# Altium PCB QCopterMV__Pcb.PcbDoc
Units mil, origin at the board's own origin, x right, y up, seen from the top; angles counter-clockwise.
Board outline 2750 x 1310 mil, 2 copper layers (Top Layer, Bottom Layer); 64 components, 105 nets, 340 pads, 113 vias.
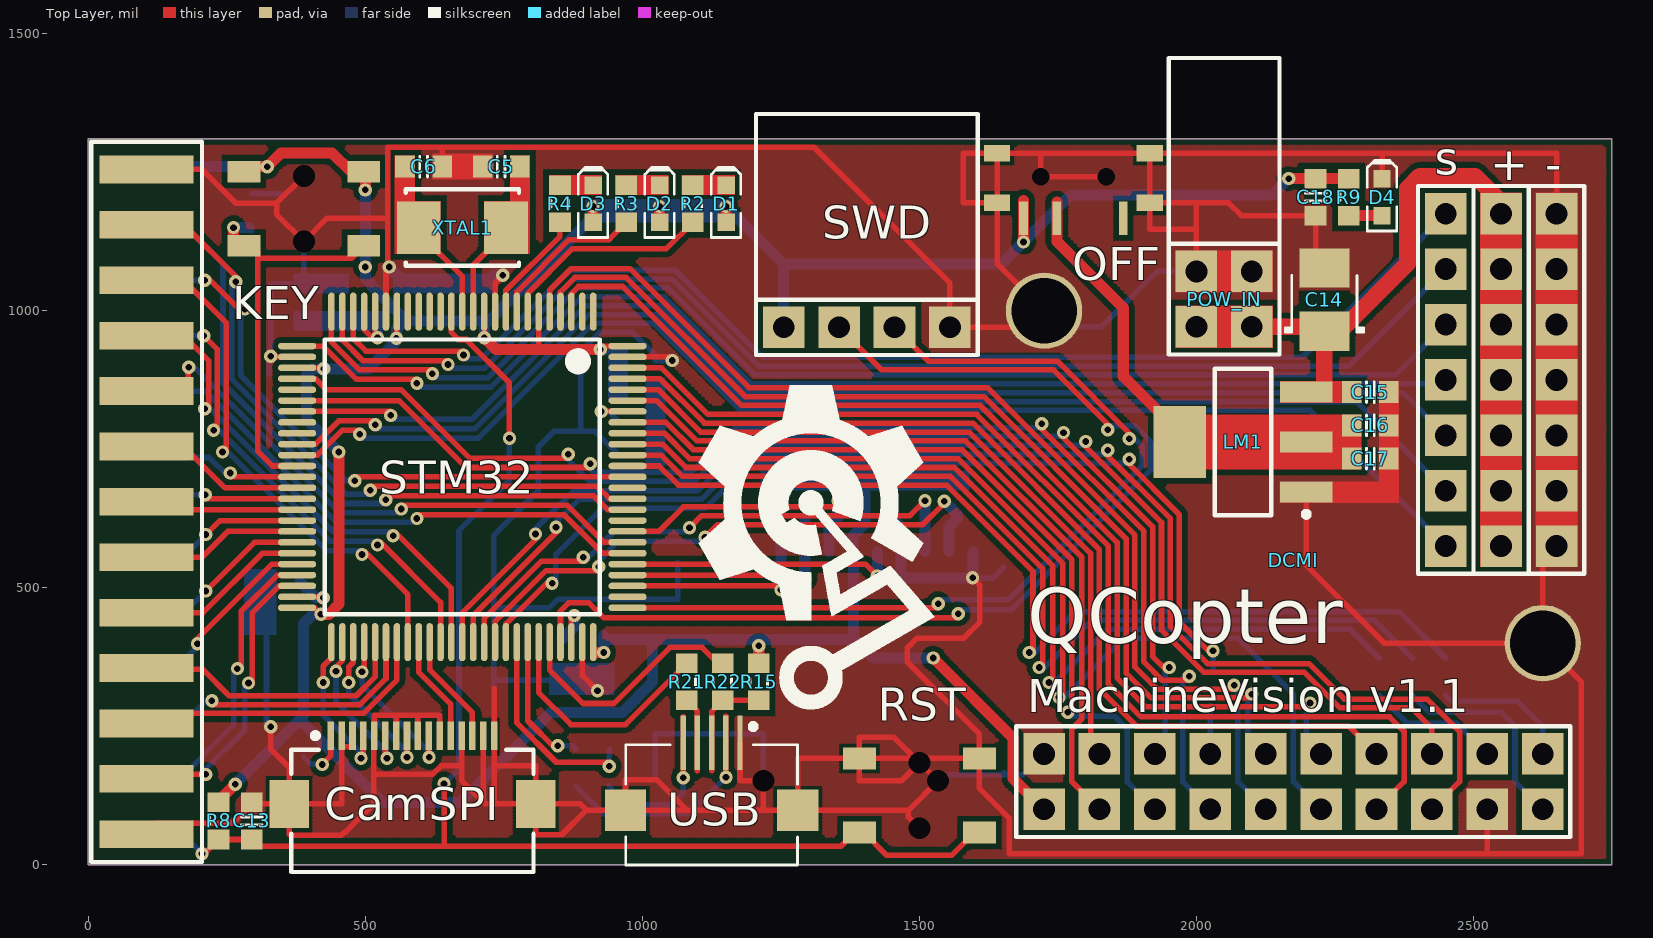
[diagram p0: Top Layer view]
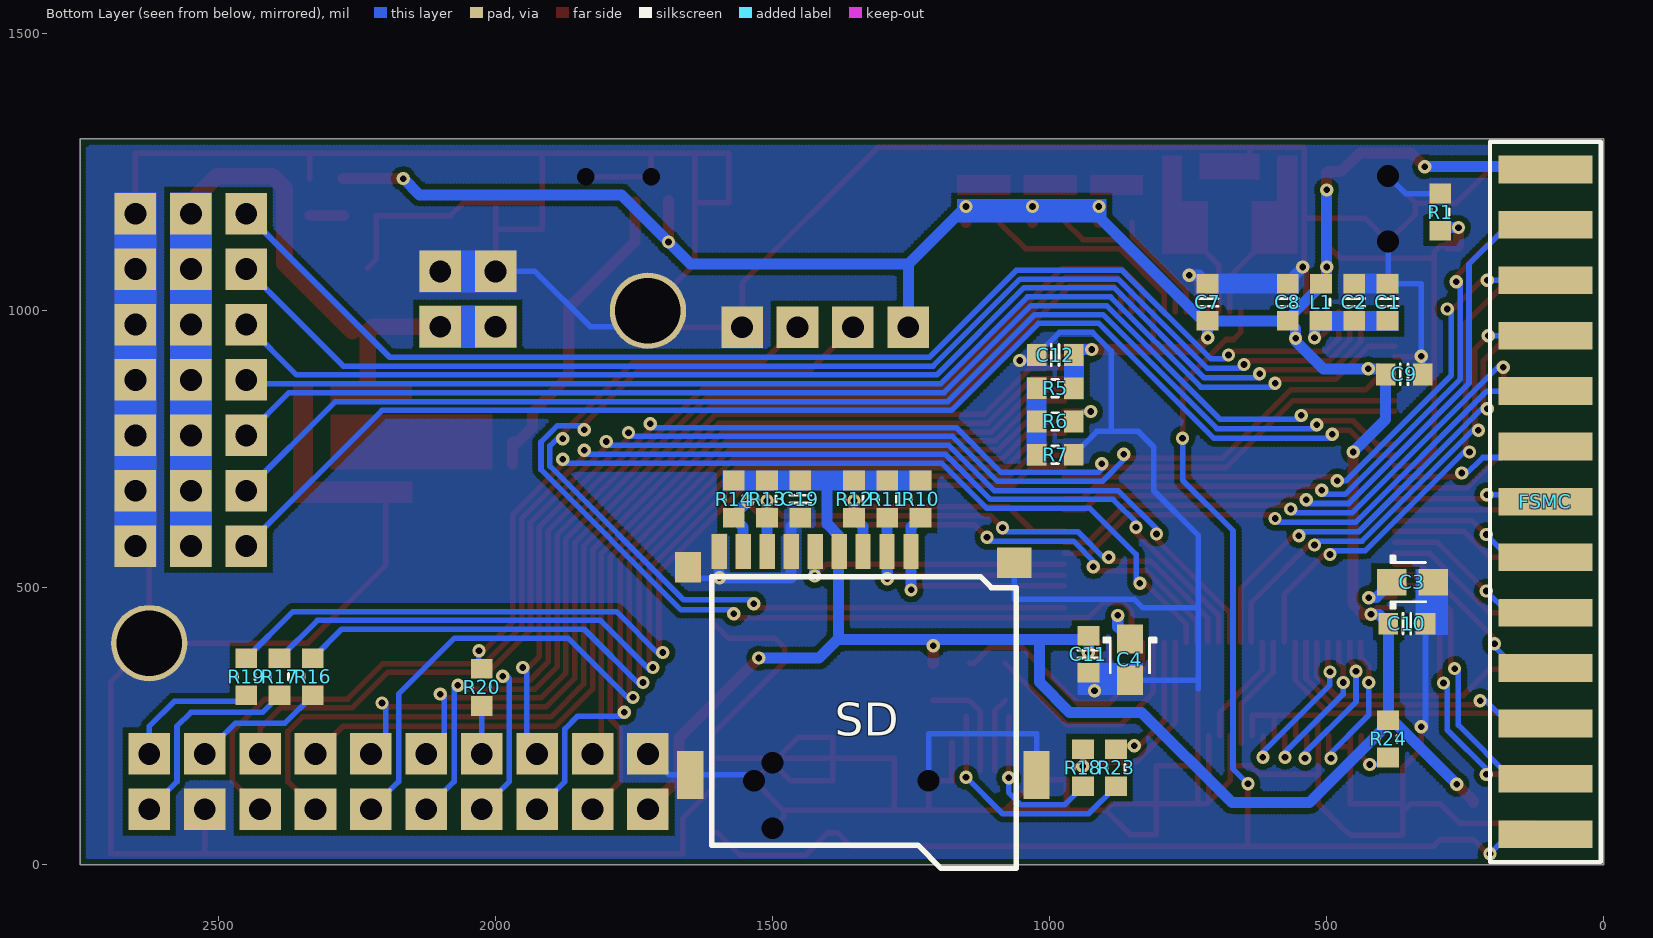
[diagram p1: Bottom Layer view, seen from below]

## Layer stack, top to bottom
Top Layer: signal copper 1.4
Dielectric: dielectric 12.6, FR-4, Dk 4.8
Bottom Layer: signal copper 1.4

## Board outline
0,1310 2750,1310 2750,0 0,0

## Design rules (kind name [scope] priority, off if disabled: settings)
Clearance Polygon [InPolygon] p1: gap=10
Clearance [All] p2: gap=6
ComponentClearance [All] p1: gap=0 collisioncheckmode=3 verticalgap=0 showdistances=FALSE
DiffPairsRouting DiffPair_DiffPairsRouting [InDifferentialPair ('USB')] p1: maxlimit=10 minlimit=10 mostfreqgap=10 maxuncoupledlength=500
DiffPairsRouting [All] p2: maxlimit=10 minlimit=10 mostfreqgap=10 maxuncoupledlength=500
HoleSize [All] p1: absolutevalues=TRUE maxlimit=150 minlimit=1 maxpercent=80.000 minpercent=20.000
HoleToHoleClearance [All] p1: gap=0 allowstackedmicrovias=TRUE
MatchedLengths DiffPair_MatchedLengths [InDifferentialPair ('USB')] p1: tolerance=1000 checknetsindiffpair=TRUE checkdiffpairvsdiffpair=TRUE checkothers=TRUE
MinimumSolderMaskSliver [All] p1: minsoldermaskwidth=0
PlaneConnect [All] p1: planeconnectstyle=Direct reliefexpansion=20 reliefentries=4 reliefconductorwidth=10 reliefairgap=10
PolygonConnect [All] p1: connectstyle=Direct reliefconductorwidth=10 reliefentries=4 polygonreliefangle="90 Angle" airgapwidth=10
RoutingVias [All] p1: holewidth=12 width=24 viastyle="Through Hole" minholewidth=12 minwidth=20 maxholewidth=28 maxwidth=50
SilkToSilkClearance [All] p1: silktosilkclearance=2
SilkToSolderMaskClearance SilkscreenOverComponentPads [IsPad] p1: minsilkscreentomaskgap=2 clearancetoexposedcopper=TRUE
SolderMaskExpansion [All] p1: expansion=0
Width DiffPair_Width [InDifferentialPair('USB')] p1: maxlimit=10 minlimit=10 preferedwidth=10
Width [All] p2: maxlimit=30 minlimit=6 preferedwidth=10
20 further rules are at their usual default settings.

## Classes and differential pairs
component class KEY: KEY R1
component class FSMC: FSMC
component class LED: D1 D2 D3 JP3 JP4 JP5 JP6 LED_1 LED_2 LED_B LED_G LED_R LED_W R2 R3 R4
component class POWER: C14 C15 C16 C17 C18 D4 LED OFF POW_IN "Power 5V" R9
component class PWM: + - PWM_G PWM_S PWM_V S s
component class SD: C19 R10 R11 R12 R13 R14 SD
component class STM32F407VE: C1 C2 C3 C4 C5 C6 C7 C8 C9 C10 C11 C12 C13 L1 R5 R6 R7 R8 RST STM32 XTAL1
component class SWD: SWD
component class USB: R15 R18 R21 R22 R23 USB
component class DCMI: DCMI R16 R17 R19 R20
component class CAMSPI: CamSPI R24

## Components (designator, comment, footprint, x,y, rotation, side; value= is the part's Value field where it differs from the comment)
+ "HDR1X7_180_2.54" HDR1X7_180_2.54 2550,1175 r270 top
- "HDR1X7_180_2.54" HDR1X7_180_2.54 2650,1175 r270 top
C1 "Cap_0603" CAP_0603 390,1015 r90 bottom locked
C2 "Cap_0603" CAP_0603 450,1015 r90 bottom locked
C3 "Cap_Tan_0805" CAP_TAN_P0805 345,510 r180 bottom locked
C4 "Cap_Tan_0805" CAP_TAN_P0805 855,370 r270 bottom locked
C5 "Cap_0603" CAP_0603 745,1260 r0 top
C6 "Cap_0603" CAP_0603 605,1260 r180 top
C7 "Cap_0603" CAP_0603 715,1015 r270 bottom locked
C8 "Cap_0603" CAP_0603 570,1015 r270 bottom locked
C9 "Cap_0603" CAP_0603 360,885 r0 bottom locked
C10 "Cap_0603" CAP_0603 355,435 r0 bottom locked
C11 "Cap_0603" CAP_0603 930,380 r90 bottom locked
C12 "Cap_0603" CAP_0603 990,920 r180 bottom locked
C13 "Cap_0603" CAP_0603 295,79 r90 top
C14 "Cap_Tan_1210" CAP_TAN_B1210 2231,1020 r90 top
C15 "Cap_0603" CAP_0603 2314,853 r180 top
C16 "Cap_0603" CAP_0603 2314,793 r180 top
C17 "Cap_0603" CAP_0603 2314,733 r180 top
C18 "Cap_0603" CAP_0603 2215,1205 r90 top
C19 "Cap_0603" CAP_0603 1450,660 r90 bottom
CamSPI "FFC_0.5_16" FFC_0.5_16 585,169 r0 top
D1 "LED_0603_RED" LED_0603_RED 1151,1193 r90 top
D2 "LED_0603_GREEN" LED_0603_GREEN 1031,1193 r90 top
D3 "LED_0603_BLUE" LED_0603_BLUE 911,1193 r90 top
D4 "LED_0603_BLUE" LED_0603_BLUE 2335,1205 r90 top
DCMI "Camera" CAMERA 1725,100 r0 top
FSMC "HDR2X13_180FTB_2.54" HDR2X13_180FTB_2.54 105,1255 r270 bottom locked
KEY "SW-PB_1" BT_90_T 389,1184 r270 top locked
L1 "Ind_0603" IND_0603 510,1015 r270 bottom locked
LM1 "LM1117" SOT223 2084,763 r180 top
OFF "SW-SPDT" SW_T 1778,1242 r180 top (schematic designator POW)
POW_IN "HDR2X2_90_2.54" HDR2X2_90_2.54 2000,971 r0 top
R1 "Res_0603" RES_0603 295,1178 r270 bottom
R2 "Res_0603" RES_0603 1091,1193 r90 top
R3 "Res_0603" RES_0603 971,1193 r90 top
R4 "Res_0603" RES_0603 851,1193 r90 top
R5 "Res_0603" RES_0603 990,860 r180 bottom locked
R6 "Res_0603" RES_0603 990,800 r0 bottom
R7 "Res_0603" RES_0603 990,740 r180 bottom
R8 "Res_0603" RES_0603 235,79 r270 top
R9 "Res_0603" RES_0603 2275,1205 r90 top
R10 "Res_0603" RES_0603 1233,660 r270 bottom
R11 "Res_0603" RES_0603 1293,660 r270 bottom
R12 "Res_0603" RES_0603 1353,660 r270 bottom
R13 "Res_0603" RES_0603 1510,660 r270 bottom
R14 "Res_0603" RES_0603 1570,660 r270 bottom
R15 "Res_0603" RES_0603 1210,330 r90 top
R16 "Res_0603" RES_0603 2330,339.25 r90 bottom
R17 "Res_0603" RES_0603 2390,339.25 r270 bottom
R18 "Res_0603" RES_0603 940,175 r90 bottom
R19 "Res_0603" RES_0603 2450,339.25 r90 bottom
R20 "Res_0603" RES_0603 2025,320 r90 bottom
R21 "Res_0603" RES_0603 1080,330 r90 top
R22 "Res_0603" RES_0603 1145,330 r90 top
R23 "Res_0603" RES_0603 880,175 r90 bottom
R24 "Res_0603" RES_0603 389,227 r270 bottom
RST "SW-PB_1" BT_90_T 1500,125 r90 top
s "HDR1X7_180_2.54" HDR1X7_180_2.54 2450,1175 r270 top
SD "SD_Card_TF" SD_Card_TF 1250,565 r270 bottom locked
STM32 "STM32F407V" STM32F_100 675,700 r270 top locked
SWD "HDR1X4_90F_2.54" HDR1X4_90F_2.54 1255,970 r0 top
USB "USB_Micro" USB_MICRO_B 1125,220 r270 top locked
XTAL1 "XTAL_5032" XTAL_5032 675,1150 r0 top

## Footprints (in the part's own frame and the unit in brackets; to place one, negate y for a bottom-side part, rotate by r counter-clockwise, add the part's x,y. Pads: shape width x height; smd on the part's side, far side on the other; paste and mask are expansions set on the pad)
BT_90_T [mm]
  round 0.254 hole 1: 0(-1.5,0) 0(1.5,0)
  rect 1x1.5 smd: 1(-1.7,2.75) 1(-1.7,-2.75) 2(1.7,2.75) 2(1.7,-2.75)
  body extent -3.3,-2.3 0.25,2.3, height 1.42
CAMERA [mm] "Connector; Header; 2x2 Position"
  round 3.5 hole 3: 0(0,22.86) 0(22.86,7.62)
  rect 1.905x1.905 hole 1: 1(0,0) 2(0,2.54) 3(2.54,0) 4(2.54,2.54) 5(5.08,0) 6(5.08,2.54) 7(7.62,0) 8(7.62,2.54) 9(10.16,0) 10(10.16,2.54) 11(12.7,0) 12(12.7,2.54) 13(15.24,0) 14(15.24,2.54) 15(17.78,0) 16(17.78,2.54) 17(20.32,0) 18(20.32,2.54) 19(22.86,0) 20(22.86,2.54)
  silkscreen extent -1.27,-1.27 24.13,3.81, body extent -1.39,-1.23 24.26,3.77, height 8.5
CAP_0603 [mm] "Chip Capacitor, Body 1.6x0.8mm, 0603, IPC Medium Density"
  rect 0.9x1 smd: 1(-0.85,0) 2(0.85,0)
  Top Layer pour cut-out: -0.4,0.6 0.4,0.6 0.4,-0.6 -0.4,-0.6
  silkscreen extent -0.18,-0.48 0.18,0.48, body extent -0.85,-0.45 0.85,0.45, height 0.89
CAP_TAN_B1210 [mm] "Molded body capacitor, Body 3.5x2.8mm, 1210, IPC Nominal settings"
  rect 1.8x2.3 smd: 1(-1.45,0) 2(1.45,0)
  Top Layer pour cut-out: -0.508,1.27 0.508,1.27 0.508,-1.27 -0.508,-1.27
  silkscreen extent -1.5,-1.8 1.1,1.8, body extent -1.75,-1.4 1.75,1.4, height 2.1
CAP_TAN_P0805 [mm] "Molded body capacitor, Body 2.0x1.2mm, 0805, IPC Medium Density"
  rect 1.35x1.2 smd: 1(-0.95,0) 2(0.95,0)
  Top Layer pour cut-out: -0.4,0.8 0.4,0.8 0.4,-0.8 -0.4,-0.8
  silkscreen extent -1,-1.2 0.6,1.2, body extent -1.02,-0.67 1.03,0.68, height 1.5
FFC_0.5_16 [mm] "Connector; FH12 Series; 16 Position; 0.5mm Spaced Bottom Contact"
  rect 1.8x2.2 smd: 0(-5.65,-1.498) 0(5.65,-1.498)
  rect 0.3x1.3 smd: 1(-3.75,1.625) 2(-3.25,1.625) 3(-2.75,1.625) 4(-2.25,1.625) 5(-1.75,1.625) 6(-1.25,1.625) 7(-0.75,1.625) 8(-0.25,1.625) 9(0.25,1.625) 10(0.75,1.625) 11(1.25,1.625) 12(1.75,1.625) 13(2.25,1.625) 14(2.75,1.625) 15(3.25,1.625) 16(3.75,1.625)
  silkscreen extent -5.55,-4.62 5.55,1.75, body extent -6.75,-3.93 6.75,1.41, height 2.08
HDR1X4_90F_2.54 [mm] "Connector; Header; 2 Position"
  rect 1.905x1.905 hole 1: 1(0,0) 2(2.54,0) 3(5.08,0) 4(7.62,0)
  silkscreen extent -1.27,-1.27 8.89,9.78, body extent -1.39,-0.16 9.02,9.9, height 2.52
HDR1X7_180_2.54 [mm] "Connector; Header; 6 Position"
  rect 1.905x1.905 hole 1: 1(0,0) 2(2.54,0) 3(5.08,0) 4(7.62,0) 5(10.16,0) 6(12.7,0) 7(15.24,0)
  silkscreen extent -1.27,-1.27 16.51,1.27, body extent -1.27,-1.27 16.51,1.27, height 7.58
HDR2X2_90_2.54 [mm] "Connector; Header; 2x2 Position"
  rect 1.905x1.905 hole 1: 1(0,0) 2(0,2.54) 3(2.54,0) 4(2.54,2.54)
  silkscreen extent -1.27,-1.27 3.81,12.32, body extent -1.27,-0.31 3.81,12.57, height 5.04
HDR2X13_180FTB_2.54 [mil] "Connector; Header; 2x2 Position"
  rect 50x170 smd: 1(0,0) 3(100,0) 5(200,0) 7(300,0) 9(400,0) 11(500,0) 13(600,0) 15(700,0) 17(800,0) 19(900,0) 21(1000,0) 23(1100,0) 25(1200,0)
  rect 50x170 smd far side: 2(0,0) 4(100,0) 6(200,0) 8(300,0) 10(400,0) 12(500,0) 14(600,0) 16(700,0) 18(800,0) 20(900,0) 22(1000,0) 24(1100,0) 26(1200,0)
  silkscreen extent -50,-100 1250,100, body extent -55,-45 1255,416, height 98
IND_0603 [mm] "Chip bead, Body 1.6x0.8mm, 0603, IPC Medium Density"
  rect 0.9x1 smd: 1(-0.85,0) 2(0.85,0)
  Top Layer pour cut-out: -0.4,0.6 0.4,0.6 0.4,-0.6 -0.4,-0.6
  silkscreen extent -0.15,-0.41 0.15,0.41, body extent -0.8,-0.4 0.8,0.4, height 0.79
LED_0603_BLUE [mm] "Chip Capacitor, 2-Leads, Body 1.6x0.8mm, IPC Medium Density"
  rect 0.8x0.8 smd: 1(-0.85,0) 2(0.85,0)
  Top Layer pour cut-out: -0.5,0.5 0.5,0.5 0.5,-0.5 -0.5,-0.5
  silkscreen extent -1.55,-0.67 1.68,0.67, body extent -0.8,-0.4 0.8,0.4, height 0.75
LED_0603_GREEN [mm] "Chip Capacitor, 2-Leads, Body 1.6x0.8mm, IPC Medium Density"
  rect 0.8x0.8 smd: 1(-0.85,0) 2(0.85,0)
  Top Layer pour cut-out: -0.5,0.5 0.5,0.5 0.5,-0.5 -0.5,-0.5
  silkscreen extent -1.55,-0.67 1.68,0.67, body extent -0.8,-0.4 0.8,0.4, height 0.75
LED_0603_RED [mm] "Chip Capacitor, 2-Leads, Body 1.6x0.8mm, IPC Medium Density"
  rect 0.8x0.8 smd: 1(-0.85,0) 2(0.85,0)
  Top Layer pour cut-out: -0.5,0.5 0.5,0.5 0.5,-0.5 -0.5,-0.5
  silkscreen extent -1.55,-0.67 1.68,0.67, body extent -0.8,-0.4 0.8,0.4, height 0.75
RES_0603 [mm]
  rect 0.9x1 smd: 1(-0.85,0) 2(0.85,0)
  Top Layer pour cut-out: -0.4,0.6 0.4,0.6 0.4,-0.6 -0.4,-0.6
  silkscreen extent -0.15,-0.41 0.15,0.41, body extent -0.87,-0.47 0.88,0.48, height 0.54
SD_Card_TF [mm]
  rect 1.6x0.7 smd: 1(0,0) 2(0,-1.1) 3(0,-2.2) 4(0,-3.3) 5(0,-4.4) 6(0,-5.5) 7(0,-6.6) 8(0,-7.7) 9(0,-8.8)
  rect 1.4x1.6 smd: 6(0.5,4.727)
  rect 1.4x1.2 smd: 6(0.703,-10.225)
  rect 2.2x1.2 smd: 6(10.227,-10.127) 6(10.227,5.754)
  round 0.762 hole 1: 6(10.5,-7.2) 6(10.5,0.8)
  silkscreen extent 1.14,-9.14 14.52,4.83, body extent -0.73,-10.31 14.48,5.99, height 2
SOT223 [mm] "SOT223, 4-Leads, Body 6.7x7.3mm (max), Pitch 2.29mm, IPC Medium Density"
  rect 2.4x0.95 smd: 1(-2.9,2.29) 2(-2.9,0) 3(-2.9,-2.29)
  rect 2.4x3.3 smd: 2(2.9,0)
  silkscreen extent -3.03,-3.35 1.3,3.44, body extent -3.65,-3.35 3.65,3.35, height 1.8
STM32F_100 [mm] "TSQFP, 100-Leads, Body 16.2x16.2mm (max), Pitch 0.50mm, IPC Medium Density"
  oval 1.75x0.3 smd: 1(-7.575,6) 2(-7.575,5.5) 3(-7.575,5) 4(-7.575,4.5) 5(-7.575,4) 6(-7.575,3.5) 7(-7.575,3) 8(-7.575,2.5) 9(-7.575,2) 10(-7.575,1.5) 11(-7.575,1) 12(-7.575,0.5) 13(-7.575,0) 14(-7.575,-0.5) 15(-7.575,-1) 16(-7.575,-1.5) 17(-7.575,-2) 18(-7.575,-2.5) 19(-7.575,-3) 20(-7.575,-3.5) 21(-7.575,-4) 22(-7.575,-4.5) 23(-7.575,-5) 24(-7.575,-5.5) 25(-7.575,-6) 51(7.575,-6) 52(7.575,-5.5) 53(7.575,-5) 54(7.575,-4.5) 55(7.575,-4) 56(7.575,-3.5) 57(7.575,-3) 58(7.575,-2.5) 59(7.575,-2) 60(7.575,-1.5) 61(7.575,-1) 62(7.575,-0.5) 63(7.575,0) 64(7.575,0.5) 65(7.575,1) 66(7.575,1.5) 67(7.575,2) 68(7.575,2.5) 69(7.575,3) 70(7.575,3.5) 71(7.575,4) 72(7.575,4.5) 73(7.575,5) 74(7.575,5.5) 75(7.575,6)
  oval 0.3x1.75 smd: 26(-6,-7.575) 27(-5.5,-7.575) 28(-5,-7.575) 29(-4.5,-7.575) 30(-4,-7.575) 31(-3.5,-7.575) 32(-3,-7.575) 33(-2.5,-7.575) 34(-2,-7.575) 35(-1.5,-7.575) 36(-1,-7.575) 37(-0.5,-7.575) 38(0,-7.575) 39(0.5,-7.575) 40(1,-7.575) 41(1.5,-7.575) 42(2,-7.575) 43(2.5,-7.575) 44(3,-7.575) 45(3.5,-7.575) 46(4,-7.575) 47(4.5,-7.575) 48(5,-7.575) 49(5.5,-7.575) 50(6,-7.575) 76(6,7.575) 77(5.5,7.575) 78(5,7.575) 79(4.5,7.575) 80(4,7.575) 81(3.5,7.575) 82(3,7.575) 83(2.5,7.575) 84(2,7.575) 85(1.5,7.575) 86(1,7.575) 87(0.5,7.575) 88(0,7.575) 89(-0.5,7.575) 90(-1,7.575) 91(-1.5,7.575) 92(-2,7.575) 93(-2.5,7.575) 94(-3,7.575) 95(-3.5,7.575) 96(-4,7.575) 97(-4.5,7.575) 98(-5,7.575) 99(-5.5,7.575) 100(-6,7.575)
  silkscreen extent -6.3,-6.3 6.3,6.3, body extent -8,-8 8,8, height 1.2
SW_T [mm]
  rect 1.2x0.762 smd: 0(-3.5,-1.073) 0(-3.5,1.2) 0(3.5,-1.073) 0(3.5,1.2)
  round 0.254 hole 0.8: 0(-1.5,0) 0(1.5,0)
  rect 0.4x1.524 smd: 1(2.286,1.905) 2(0.762,1.905) 3(-2.286,1.905)
USB_MICRO_B [mm] "Connector; USB2.0, Type A, SM; 5 Position; Right Angle"
  rect 2.5x0.25 smd: 1(0,-1.3) 2(0,-0.65) 3(0,0) 4(0,0.65) 5(0,1.3)
  rect 1.9x1.9 smd: ""(3.095,3.95) ""(3.095,-3.95)
  silkscreen extent -0.87,-3.94 5.6,3.94, body extent 0.24,-4 5.67,3.98, height 2.71
XTAL_5032 [mm] "Molded Capacitor, 2-Leads, Body 5.0x3.2mm, IPC Medium Density"
  rect 2x2.4 smd: 1(-2,0) 2(2,0)
  silkscreen extent -2.6,-1.75 2.6,1.75, body extent -2.5,-1.6 2.5,1.6, height 1

## Part data
+ - FSMC POW_IN s SWD: "Header"
C1 C2 C3 C4 C5 C6 C7 C8 C9 C10 C11 C12 C13 C14 C15 C16 C17 C18 C19: "Capacitor"
CamSPI: "FFC"
D1 D2 D3 D4: "LED"
DCMI: "Module"
KEY RST: "Switch"
L1: "Inductor"
LM1: "Power"
OFF: library part SW-SPDT_1, "SPDT Subminiature Toggle Switch, Right Angle Mounting, Vertical Actuation"
R1 R2 R3 R4 R5 R6 R7 R8 R9 R10 R11 R12 R13 R14 R15 R16 R17 R18 R19 R20 R21 R22 R23 R24: "Resistor"
SD: "SD"
STM32: "MCU"
USB: "USB"
XTAL1: "Crystal Oscillator"

## Via types
v1: diameter 24, hole 12, Top Layer to Bottom Layer, 113 vias

## Nets (pads, with @x,y where several pads share a name; then routed paths per layer and width w, separated by ;. In a path a pad name is that pad's centre, name@x,y a point inside that pad or via, vN(x,y) a via of type N, cw(c..) or ccw(c..) an arc to the next point about the centre after c; other vN are vias at no path point)
3V3: C7.2 C8.2 C9.2 C10.2 C11.2 C12.2 C18.2 C19.2 D1.1 D2.1 D3.1 DCMI.1 FSMC.1 KEY.1 L1.1 OFF.1 R5.2 R8.1 R9.2 R10.1 R11.1 R12.1 R13.1 R14.1 R15.2 R24.1 SD.4 STM32.6 STM32.11 STM32.19 STM32.28 STM32.50 STM32.75 STM32.100 SWD.1 | length 6920.5
  Top Layer w10: STM32.50 408.22,463.78 v1(420,452) ; STM32.28 423.15,896.85 v1(425,895) ; v1@556.89,951.89 STM32.19 ; v1(714.37,951.37) STM32.11 ; 812.8,930 STM32.6 ; STM32.75 911.22,386.78 STM32.75@915,383 ; v1(924,930) 930.22,936.22 STM32.100
  Top Layer w20: R8.1 235,115 v1(265,145) ; KEY.1@285,1260 v1(323,1260) 348,1285 440,1285 474.07,1250.93 497.27,1250.93 KEY.1@499,1249.2 ; v1(420,452) 434,452 452.32,470.32 v1@452.32,744.68 ; v1(500,1218) KEY.1@500,1249.2 ; v1(714.37,951.37) 735.74,930 v1(924,930) ; D3.1 v1(911,1188) ; STM32.75@915,383 v1(930,383) ; D2.1 v1(1031,1188) ; D1.1 v1(1151,1188) ; R15.2 v1(1210,395) ; v1(1525,373) 1669,229 1669,156 DCMI.1 ; v1(1688,1124) OFF.1 1688,1199 ; v1(2166.54,1238.46) C18.2 R9.2
  Bottom Layer w10: C8.2 570,985.46 C8.2@570,988.46
  Bottom Layer w20: FSMC.1@110,1260 v1(323,1260) ; v1(265,145) 379,259 383.27,254.73 388.27,254.73 531,112 671,112 834,275 964,275 1018.46,329.46 1018.46,406.46 ; R24.1@388.46,268.46 C10.2 405.46,452 v1(420,452) ; v1(452,745) 393.46,803.54 C9.2 403.46,895 v1(425,895) 505.6,895 556,945.4 556,967.54 C8.2 C7.2 ; v1(500,1218) v1(500,1079) 500,1058.46 L1.1 ; L1.1@510,1045.46 C8.2@570,985.46 ; v1@715,952 C7.2 ; v1(924,930) 946.54,930 C12.2 ; v1(930,383) C11.2 ; C11.2@930,406.46 1018.46,406.46 ; SWD.1 1255,1084 ; R12.1 1402,693.46 1402,615.51 1379.92,593.43 SD.4 ; SD.4@1381,564 1381,407.93 1415.93,373 v1(1525,373) ; 1382.46,406.46 1018.46,406.46 ; v1(2166.54,1238.46) 2137.07,1209 1773,1209 v1(1688,1124) 1648,1084 1255,1084 ; C7.2 723.54,981.54 911,1169 v1(911,1188) v1(1031,1188) v1(1151,1188) 1255,1084
  other v1: 556,950
5V: +.1 +.2 +.3 +.4 +.5 +.6 +.7 C14.1 C15.2 LM1.3 POW_IN.1 POW_IN.3 | length 814.3
  Top Layer w10: LM1.3@2168.84,853.16 LM1.3
  Top Layer w20: C14.1 C14.1@2258.91,962.91 ; +.1 +.1@2550,1196
  Top Layer w30: POW_IN.3 C14.1@2222.91,971 ; LM1.3@2231,856 C14.1 ; C14.1@2258.91,962.91 2381,1085 2381,1221 2403,1243 2503,1243 +.1@2550,1196
BOOT0: R6.1 STM32.94 | length 85.1
  Top Layer w10: v1@926.11,818.11 STM32.94
  Bottom Layer w10: v1(926,818) 938.54,818 R6.1
CAM_CS: CamSPI.4 STM32.51 | length 284.7
  Top Layer w10: v1(424,329) 424,358.53 437.47,372 438,372 438.78,372.78 STM32.51 ; v1@496.42,190.42 CamSPI.4
  Bottom Layer w10: v1(424,329) 424,270 v1@497.5,196.5
  other v1: 492,192
CAM_D0: DCMI.16 STM32.63 | length 2310.4
  Top Layer w10: STM32.63 675,455 v1@811,591 ; v1@1795.5,759.5 1937,618 1937,423.37 2013.37,347 2195,347 2259,283 2388,283 2425,246 DCMI.16
  Bottom Layer w10: v1@802,601 876.32,675.32 1100.07,675.32 1181.75,757 v1@1800,757
  other v1: 807,597 1800,764
CAM_D1: DCMI.15 STM32.64 | length 2443.4
  Top Layer w10: STM32.64 694.69,449.68 v1@849,604 ; v1@1834.5,743.5 1953,625 1953,430 2020,363 2203,363 2267,299 2416.56,299 2475,240.56 2475,150 DCMI.15
  Bottom Layer w10: v1@839,613 885.32,659.32 1106.7,659.32 1188.37,741 v1@1838.88,741
  other v1: 844,609 1840,748
CAM_D2: DCMI.14 STM32.97 | length 1779.6
  Top Layer w10: STM32.97 1031.68,877.17 1111.85,797 1596.51,797 1825,568.51 1825,317 1892,250 2275,250 DCMI.14
CAM_D3: DCMI.13 STM32.98 | length 1980.8
  Top Layer w10: STM32.98 1034.62,896.85 1118.47,813 1603.14,813 1841,575.14 1841,326 1900,267 2348.56,267 2375,240.56 2375,150 DCMI.13
CAM_D4: DCMI.12 STM32.3 | length 1932
  Top Layer w10: STM32.3 871.85,1030.99 884.53,1043.68 964.32,1043.68 1179,829 1609.76,829 1857,581.76 1857,337 1909,285 v1@2205,285
  Bottom Layer w10: v1@2198,292 2198,227 DCMI.12
  other v1: 2205,292
CAM_D5: DCMI.11 STM32.92 | length 1859.9
  Top Layer w10: STM32.92 1039.51,778.74 1085.25,733 1570,733 1759,544 v1@1759,302
  Bottom Layer w10: v1@1757,297 1869,409 2074,409 2175,308 2175,150 DCMI.11
  other v1: 1752,302
CAM_D6: DCMI.10 STM32.4 | length 1867
  Top Layer w10: STM32.4 852.17,1033.94 878.23,1060 970.63,1060 1185.63,845 1616.39,845 1873,588.39 1873,346 1918,301 v1@2095,301
  Bottom Layer w10: v1@2093,308 2093,232 DCMI.10
  other v1: 2100,308
CAM_D7: DCMI.9 STM32.5 | length 1987.9
  Top Layer w10: STM32.5 832.48,1036.88 871.6,1076 977.25,1076 1192.25,861 1623.02,861 1889,595.02 1889,357 1929,317 v1@2068,317
  Bottom Layer w10: v1@2075,323 2075,150 DCMI.9
  other v1: 2068,324
CAM_HSYN: DCMI.6 STM32.29 | length 2167
  Top Layer w10: STM32.29 409.83,877.17 430,857 565,857 688,734 v1@864,734 ; v1@1755,776 1921,610 1921,376 v1@1946,351
  Bottom Layer w10: v1@860.5,736.5 905,692 1094.12,692 1175.12,773 v1@1760,773 ; DCMI.6 1944,219 v1@1944,357
  other v1: 1951,356 866,741 1760,780
CAM_INT: CamSPI.14 STM32.60 | length 200.8
  Top Layer w10: STM32.60 615.94,352.06 693.27,274.73 CamSPI.14
CAM_IO1: R16.2 STM32.91 | length 1688
  Top Layer w10: 1007.69,759.06 1036.57,759.06 1078.63,717 1563,717 1741,539 v1@1741,330
  Bottom Layer w10: v1@1739,324 1840,425 2277.72,425 R16.2
  other v1: 1734,329
CAM_IO2: R19.2 STM32.89 | length 1772.4
  Top Layer w10: STM32.89 1030.32,719.68 1065,685 1549,685 1705,529 v1@1705,382
  Bottom Layer w10: v1@1703,378 1782,457 2365.72,457 R19.2
  other v1: 1698,383
CAM_IO3: R17.1 STM32.90 | length 1747.4
  Top Layer w10: STM32.90 1033.63,739.37 1072,701 1556,701 1723,534 v1@1723,356
  Bottom Layer w10: v1@1721,351 1811,441 2321.72,441 R17.1
  other v1: 1716,356
CAM_MISO: CamSPI.8 STM32.53 | length 284.7
  Top Layer w10: v1(470,329) 470,357 478.15,365.15 STM32.53 ; v1(575,194) 575.16,194.16 CamSPI.8
  Bottom Layer w10: v1(470,329) 470,308 v1@575,203
CAM_MOSI: CamSPI.10 STM32.54 | length 296.1
  Top Layer w10: v1(494,348) 497.83,351.83 STM32.54 ; v1@614.53,194.47 CamSPI.10
  Bottom Layer w10: v1(494,348) 494,324 v1@620,198
  other v1: 615,194
CAM_PCLK: DCMI.7 STM32.31 | length 2300.4
  Top Layer w10: STM32.31 560.85,837.8 681.65,717 v1@906.32,717 ; v1@1716,791 1905,602 1905,366 1938,333 v1@1987,333
  Bottom Layer w10: v1@901,719 912,708 1087.49,708 1168.49,789 v1@1721,789 ; v1@1980,341 1975,336 1975,150 DCMI.7
  other v1: 1987,340 906,724 1721,796
CAM_RDY: CamSPI.12 STM32.59 | length 206.7
  Top Layer w10: STM32.59 596.26,347.74 653.9,290.1 CamSPI.12@653.9,218.98
CAM_SCK: CamSPI.6 STM32.52 | length 292
  Top Layer w10: v1(447,349) 447,357 458.46,368.46 STM32.52 ; CamSPI.6 535.79,195.21 v1(539,192)
  Bottom Layer w10: v1(447,349) 447,294 v1@544,197
CAM_SCL: DCMI.3 STM32.95 | length 1420.2
  Top Layer w10: STM32.95 1025.71,837.8 1098.51,765 1583.25,765 1793,555.25 1793,263 1775,245 1775,150 DCMI.3
CAM_SDA: DCMI.4 STM32.96 | length 1326.7
  Top Layer w10: STM32.96 1028.66,857.48 1105.14,781 1589.88,781 1809,561.88 1809,216 DCMI.4
CAM_VSYN: DCMI.5 STM32.93 | length 1461.3
  Top Layer w10: STM32.93 1042.46,798.43 1091.88,749 1576.63,749 1775,550.63 v1@1775,276
  Bottom Layer w10: v1@1768,268 1852,268 1875,245 1875,150 DCMI.5
  other v1: 1768,275
CAM_XCLK: R20.2 STM32.67 | length 1743.8
  Top Layer w10: STM32.67 753.74,434.54 v1@832.6,513.4 ; v1@1873.5,727.5 1969,632 1969,438 v1@2027,380
  Bottom Layer w10: v1@844,507 844,560 927.32,643.32 1113.32,643.32 1195,725 v1@1878.5,725 ; R20.2@2030,353.46 v1(2030,386)
  other v1: 837,508 1879,732
GND: -.1 -.2 -.3 -.4 -.5 -.6 -.7 C1.2 C2.2 C3.2 C4.2 C5.1 C6.1 C7.1 C8.1 C9.1 C10.1 C11.1 C12.1 C13.2 C14.2 C15.1 C16.1 C17.1 C18.1 C19.1 CamSPI.0 CamSPI.2 CamSPI.3 CamSPI.5 CamSPI.7 CamSPI.9 CamSPI.11 CamSPI.13 CamSPI.15 CamSPI.16 D4.2 DCMI.0 DCMI.2 DCMI.17 FSMC.2 FSMC.26 KEY.0 LM1.1 OFF.0 POW_IN.2 POW_IN.4 R1.1 R7.2 RST.0 RST.2 SD.6 SD.9 STM32.10 STM32.20 STM32.27 STM32.74 STM32.99 SWD.4 USB. USB.5 | length 15942.6
  Top Layer w10: FSMC.2 205,1255 266,1194 339.94,1194 ; FSMC.26@125,75 260,75 295.02,110.02 348.56,110.02 CamSPI.0@362.56,96.02 ; v1(329,249) 329,209 362.56,175.44 CamSPI.0@362.56,110.02 ; v1(329,918) 330.46,916.54 STM32.27 ; KEY.0@389,1243.06 339.94,1194 ; CamSPI.2@457.05,212.98 CamSPI.3@476.73,212.98 ; CamSPI.2 457.05,110 CamSPI.0@362.56,110.02 ; 515.1,163 621,163 637,179 673.58,179 ; CamSPI.5@515.1,232.98 515.1,110 464.1,59 462.32,59 456.76,53.44 364.06,53.44 362.56,54.94 CamSPI.0@362.56,96.02 ; CamSPI.5 516.1,269.57 555.47,269.57 ; STM32.20 537.2,1073.2 v1(543,1079) ; v1@540,1079 540,1167 ; CamSPI.7 555.47,269.57 ; CamSPI.9 594.84,269.57 ; CamSPI.11 634.21,269.57 594.84,269.57 ; C6.1 638.46,1295 ; CamSPI.13 673.58,152.35 715.9,110.02 CamSPI.0@807.44,110.02 ; 712.95,112.98 CamSPI.15 ; 732.64,112.66 732.64,317.36 ; 732.64,179 807.44,179 CamSPI.0@807.44,110.02 ; STM32.10 734.06,1050.06 v1(748,1064) ; STM32.74 891.54,341.46 v1(919,314) ; USB.@969.49,98.16 1218.5,98.16 ; STM32.99 1047.46,916.54 v1(1054,910) ; 1080.34,98.66 1025.51,153.49 969.49,153.49 969.49,98.66 899,98.66 ; USB.5 1176.18,151.61 1218.5,151.61 1218.5,98.16 ; 1507.87,58.07 1480.01,85.94 1480.01,98.16 ; v1(1596,518) 1609,505 1609,438 1580,409 1496,409 1478,391 1478,366 1608.27,235.73 RST.2@1608.27,191.93 ; OFF.0@1837.06,1242 1718.94,1242 1718.94,1284.24 ; POW_IN.2 2000,1194.76 ; 2000,1147 1915.8,1147 OFF.0@1915.8,1194.76 ; LM1.1 2198.17,540.83 2339,400 DCMI.0@2625,400 ; C14.2 2215,1093.09 C18.1 2081.22,1171.54 2058,1194.76 2000,1194.76 ; D4.2 2335,1284.24 ; 2525,30 2525,20 ; DCMI.17 2525,20 ; -.7 2625,550 DCMI.0@2625,400 ; -.1 2650,1284.24 2335,1284.24 ; 339.94,1194 339.94,1174 389,1124.94 431.06,1167 540,1167 ; CamSPI.0@362.56,96.02 CamSPI.0@362.56,110.02 ; 540,1167 540,1295 638.46,1295 ; 555.47,269.57 594.84,269.57 ; 638.46,1295 1310,1295 1555,1050 SWD.4 1695,970 1725,1000 1640.2,1084.8 OFF.0@1640.2,1194.76 ; CamSPI.0@807.44,110.02 887.64,110.02 899,98.66 ; CamSPI.0@807.44,110.02 807.44,54.06 854.4,54.06 899,98.66 ; 1218.5,98.16 USB.@1280.51,98.16 ; USB.@1280.51,98.16 1280.51,191.93 RST.2@1391.73,191.93 ; USB.@1280.51,98.16 1480.01,98.16 ; RST.2@1391.73,191.93 1492.13,191.93 RST.0@1500,184.06 ; RST.2@1391.73,191.93 1391.73,230 1454.06,230 RST.0@1500,184.06 ; RST.2@1391.73,191.93 1391.73,151.61 1467.56,151.61 1507.87,191.93 RST.2@1608.27,191.93 ; 1480.01,98.16 1533.46,151.61 1532.44,151.61 1526.03,158.03 RST.0@1500,184.06 ; RST.2@1608.27,191.93 1608.27,137.73 1662,84 1662,20 2525,20 ; OFF.0@1640.2,1194.76 OFF.0@1640.2,1284.24 ; OFF.0@1640.2,1194.76 1578.76,1194.76 1578.76,1284.24 OFF.0@1640.2,1284.24 ; OFF.0@1640.2,1284.24 1718.94,1284.24 ; 1718.94,1284.24 OFF.0@1915.8,1284.24 ; OFF.0@1915.8,1194.76 2000,1194.76 ; OFF.0@1915.8,1194.76 OFF.0@1915.8,1284.24 ; OFF.0@1915.8,1284.24 2335,1284.24 ; 2525,20 2695,20 2695,330 DCMI.0@2625,400
  Bottom Layer w10: R1.1 357.41,1211.46 KEY.0@389,1243.06 ; v1@321.54,248.46 C10.1 ; C9.1 326.54,915.54 v1(329,918) 329,1048.46 C1.2 ; C1.2@389,1049.46 KEY.0@389,1124.94 ; C8.1 C8.1@570,1052 ; 732,317.36 732,464 ; 732.6,332.6 C4.2 ; 889,783 889,927.53 922.47,961 982.46,961 C12.1 1023.46,910 v1(1054,910) ; C11.1 C11.1@931.54,346.54 ; R7.2 914.54,782 840,782 812,754 812,675 732,595 732,464 ; SD.6@1023.46,162.36 1023.46,236.54 1218.5,236.54 SD.6@1218.5,151.61 ; SD.6@1063.9,545.32 1063.9,479 847,479 832,464 732,464 ; SD.6@1533.46,151.61 1544.21,162.36 SD.6@1648.7,162.36 ; v1@1596.46,517.46 1632.71,517.46 SD.6@1652.56,537.32 ; SD.6@1652.56,166.22 SD.6@1648.7,162.36 ; DCMI.2 1687.36,162.36 SD.6@1648.7,162.36 ; DCMI.0@1725,1000 1754,971 1829,971 1929,1071 POW_IN.2
  Bottom Layer w20: v1(543,1079) C8.1@570,1052 ; C7.1 730.54,1064 v1(748,1064) ; C19.1 1466.54,610 1466.54,565 1466.54,517.46 v1@1594.91,517.46 ; v1@1596.46,519.01 SD.9
KEY: KEY.2 R1.2 STM32.37 | length 772.3
  Top Layer w10: KEY.2@280.73,1117.07 294.93,1117.07 KEY.2@305.32,1106.68 ; STM32.37 332.32,719.68 305.32,746.68 KEY.2@305.32,1106.68 ; KEY.2@497.27,1117.07 474.46,1094.26 305.32,1094.26 KEY.2@305.32,1106.68
  Top Layer w20: v1(262,1150) 262,1117.07 KEY.2@280.73,1117.07
  Bottom Layer w10: R1.2@289.54,1150 R1.2
  Bottom Layer w20: v1(262,1150) R1.2@289.54,1150
LCD_CS: FSMC.5 STM32.88 | length 1089.6
  Top Layer w10: v1@215,1060 v1@277,998 ; v1@481,700 STM32.88
  Bottom Layer w10: FSMC.5 v1(210,1055) ; v1@275,1003 275,883 465,693 v1(481,693)
  other v1: 282,1003
LCD_D0: FSMC.7 STM32.61 | length 885.8
  Top Layer w10: v1(208,955) 233,930 v1@233,784 ; v1@526.81,582.19 635.63,473.37 STM32.61
  Bottom Layer w10: FSMC.7 v1(208,955) ; v1@231,789 436,584 v1@522,584
  other v1: 522,577 226,784
LCD_D1: FSMC.8 STM32.62 | length 818.9
  Top Layer w10: FSMC.8@172,955 217,910 v1@217,823 ; v1@555,599 655.31,498.69 STM32.62
  Bottom Layer w10: v1@214.68,828.32 442,601 v1@550,601
  other v1: 550,594 210,823
LCD_D2: FSMC.9 STM32.81 | length 995.3
  Top Layer w10: v1@593,632 858,632 927.8,562.2 STM32.81
  Bottom Layer w10: FSMC.9 211,855 448,618 v1@593,618
  other v1: 593,625
LCD_D3: FSMC.10 STM32.82 | length 1044.4
  Top Layer w10: FSMC.10 180,855 180,897 v1(181,898) ; v1@565,649 864,649 931.11,581.89 STM32.82
  Bottom Layer w10: v1@186,903 454,635 v1@565,635
  other v1: 565,642
LCD_D4: FSMC.11 STM32.38 | length 229.4
  Top Layer w10: v1@257,700 STM32.38
  Bottom Layer w10: FSMC.11@163,755 183,735 218,735 v1@250.75,702.25
  other v1: 256,707
LCD_D5: FSMC.12 STM32.39 | length 235.7
  Top Layer w10: FSMC.12@172,755 246.69,680.31 STM32.39
LCD_D6: FSMC.13 STM32.40 | length 258.4
  Top Layer w10: v1@211.34,660.63 STM32.40
  Bottom Layer w10: FSMC.13@118,668 v1(211,668)
LCD_D7: FSMC.14 STM32.41 | length 257.7
  Top Layer w10: FSMC.14@119.06,640.94 STM32.41
LCD_D8: FSMC.15 STM32.42 | length 233.2
  Top Layer w10: v1(212,596) 237.26,621.26 STM32.42
  Bottom Layer w10: FSMC.15@171,555 v1(212,596)
LCD_D9: FSMC.16 STM32.43 | length 291.1
  Top Layer w10: FSMC.16 205,555 251.57,601.57 STM32.43
LCD_D10: FSMC.17 STM32.44 | length 256.3
  Top Layer w10: v1(212,494) 299.89,581.89 STM32.44
  Bottom Layer w10: FSMC.17@173,455 v1(212,494)
LCD_D11: FSMC.18 STM32.45 | length 316.2
  Top Layer w10: FSMC.18 207,455 314.2,562.2 STM32.45
LCD_D12: FSMC.19 STM32.46 | length 352.1
  Top Layer w10: v1@192.5,403.5 331.52,542.52 STM32.46
  Bottom Layer w10: FSMC.19 FSMC.19@153,355 ; FSMC.19@158,355 v1@202,399
  other v1: 197,399
LCD_D13: FSMC.20 STM32.55 | length 445.3
  Top Layer w10: FSMC.20@169,353 206,353 254,305 483.53,305 517.52,338.99 STM32.55
LCD_D14: FSMC.21 STM32.56 | length 464.5
  Top Layer w10: v1@223,289 490.15,289 537.2,336.05 STM32.56
  Bottom Layer w10: FSMC.21@172,255 v1@218,301
  other v1: 223,296
LCD_D15: FSMC.22 STM32.57 | length 535.5
  Top Layer w10: FSMC.22@115,273 496.78,273 556.89,333.11 STM32.57
LCD_INT: FSMC.24 STM32.48 | length 521.1
  Top Layer w10: FSMC.24@113,163 v1(212,163) ; v1@296,327 296,455.14 344.01,503.15 STM32.48
  Bottom Layer w10: v1@206,167 282.26,243.26 v1@282.26,328.74
  other v1: 289,328
LCD_RD: FSMC.3 STM32.85 | length 1145.9
  Top Layer w10: v1@537,666 912,666 937.06,640.94 STM32.85
  Bottom Layer w10: FSMC.3@172,1155 243,1084 243,869 460,652 v1@537,652
  other v1: 537,659
LCD_RS: FSMC.6 STM32.58 | length 860.1
  Top Layer w10: FSMC.6@172,1055 249,978 v1@249,745 ; v1@499,565 576.57,487.43 STM32.58
  Bottom Layer w10: v1@247,750 430,567 v1@494,567
  other v1: 494,560 242,745
LCD_WAIT: FSMC.23 STM32.47 | length 471.7
  Top Layer w10: v1@276,353 276,457.77 341.06,522.83 STM32.47
  Bottom Layer w10: FSMC.23@165,155 262,252 v1@262,354
  other v1: 269,354
LCD_WR: FSMC.4 STM32.86 | length 1123.2
  Top Layer w10: FSMC.4@172,1156 v1@271,1057 ; v1@511,683 918.09,683 940.46,660.63 STM32.86
  Bottom Layer w10: v1@259,1052 259,876 466,669 v1@509,669
  other v1: 509,676 266,1052
LED_B: R4.1 STM32.9 | length 201.6
  Top Layer w10: STM32.9 753.74,1036.88 851,1134.14 R4.1
LED_G: R3.1 STM32.8 | length 285.3
  Top Layer w10: STM32.8 773.43,1033.94 867.81,1128.32 939.79,1128.32 R3.1
LED_R: R2.1 STM32.7 | length 383.9
  Top Layer w10: STM32.7 793.11,1030.99 874.12,1112 1043.46,1112 R2.1
NetCamSPI_1: CamSPI.1 R24.2 | length 96.5
  Top Layer w10: v1(422,181) 437.36,196.36 CamSPI.1
  Bottom Layer w10: R24.2 401.54,181 v1(422,181)
NetD1_2: D1.2 R2.2
NetD2_2: D2.2 R3.2
NetD3_2: D3.2 R4.2
NetD4_1: D4.1 R9.1 | length 60
  Top Layer w20: R9.1 D4.1
NetDCMI_8: DCMI.8 R20.1 | length 86.5
  Bottom Layer w10: DCMI.8 R20.1
NetDCMI_18: DCMI.18 R16.1 | length 238.8
  Bottom Layer w10: R16.1 2380.79,255 2470,255 DCMI.18
NetDCMI_19: DCMI.19 R17.2 | length 378.8
  Bottom Layer w10: R17.2 2420.79,275 2550,275 2575,250 2575,150 DCMI.19
NetDCMI_20: DCMI.20 R19.1 | length 248.1
  Bottom Layer w10: R19.1 2460.79,295 2580,295 2625,250 DCMI.20
NetR5_1: R5.1 R6.2 R7.1
NetR15_1: R15.1 R22.1 USB.3 | length 200.3
  Top Layer w10: 1125,170 1125,276.54 R22.1 R15.1@1210.46,296.54
NetR21_1: R21.1 USB.2 | length 134.6
  Top Layer w10: R21.1 1099.41,277.13 1099.41,170
NetR23_1: R23.1 USB.4 | length 428.2
  Top Layer w10: v1@1150.59,158.41 USB.4@1150.59,267.81
  Bottom Layer w10: R23.1 929.48,92.06 1085.06,92.06 v1(1151,158)
NetSTM32_1: STM32.1
NetSTM32_2: STM32.2
NetSTM32_15: STM32.15
NetSTM32_16: STM32.16
NetSTM32_17: STM32.17
NetSTM32_18: STM32.18
NetSTM32_30: STM32.30
NetSTM32_33: STM32.33
NetSTM32_34: STM32.34
NetSTM32_87: STM32.87
OSC1: C5.2 STM32.12 XTAL1.2 | length 176.2
  Top Layer w10: STM32.12 694.69,1082.68 753.74,1141.74 XTAL1.2
OSC2: C6.2 STM32.13 XTAL1.1 | length 184.4
  Top Layer w10: XTAL1.1 596.26,1140.74 675,1062 STM32.13
PWM1: s.1 STM32.23 | length 2268.3
  Top Layer w10: STM32.23 478.15,949.73 500.88,927 v1@677,927
  Bottom Layer w10: v1@677,913 709,913 869,1073 1060,1073 1217,916 2191,916 s.1
  other v1: 677,920
PWM2: s.2 STM32.24 | length 2262.4
  Top Layer w10: STM32.24 458.46,946.79 495.25,910 v1@649,910
  Bottom Layer w10: v1@649,896 715.37,896 876.37,1057 1053.37,1057 1210.37,900 2275,900 s.2
  other v1: 649,903
PWM3: s.3 STM32.25 | length 2256.5
  Top Layer w10: STM32.25 438.78,943.85 489.63,893 v1@621,893
  Bottom Layer w10: v1@621,879 721,879 883,1041 1046.75,1041 1203.75,884 2359,884 s.3
  other v1: 621,886
PWM4: s.4 STM32.26 | length 2230.7
  Top Layer w10: STM32.26 423.78,936.22 484,876 v1@593,876
  Bottom Layer w10: v1@593,862 727,862 890,1025 1040.12,1025 1197.12,868 s.4@2450,868
  other v1: 593,869
PWM5: s.5 STM32.32 | length 2255
  Top Layer w10: STM32.32 v1@545.89,818.11
  Bottom Layer w10: v1@546,804 692,804 897,1009 1033.49,1009 1190.49,852 2373,852 s.5
  other v1: 546,811
PWM6: s.6 STM32.35 | length 2307.7
  Top Layer w10: STM32.35 409.96,759.06 451.91,801 v1@518,801
  Bottom Layer w10: v1@518,787 698,787 904,993 1026.86,993 1183.86,836 2289,836 s.6
  other v1: 518,794
PWM7: s.7 STM32.36 | length 2344
  Top Layer w10: STM32.36 413.37,739.37 458,784 v1@490,784
  Bottom Layer w10: v1@490,770 704,770 911,977 1020.24,977 1177.24,820 2205,820 s.7
  other v1: 490,777
RST: C13.1 FSMC.25 R8.2 RST.1 STM32.14 | length 2578.6
  Top Layer w10: v1(205,20) 209.46,20 R8.2 C13.1 307.54,33 642,33 ; v1(642,146) 642,33 ; STM32.14 655.31,960.69 668,948 682,948 760,870 v1(760,770) ; RST.1@1608.27,58.07 1599.07,58.07 1558,17 1441,17 1399.93,58.07 1391.73,58.07 1383.07,58.07 1358,33 642,33
  Bottom Layer w10: FSMC.25@170,55 v1(205,20) ; v1(642,146) 669,173 669,603 760,694 v1(760,770)
SD_CLK: SD.5 STM32.80 | length 504
  Top Layer w10: STM32.80 1402.48,542.52 v1(1424,521)
  Bottom Layer w10: SD.5 SD.5@1424,564.23
  Bottom Layer w20: v1(1424,521) SD.5@1424,564.23
SD_CMD: R12.2 SD.3 STM32.83 | length 503
  Top Layer w10: STM32.83 1029.57,601.57 1074,646 1352,646 v1@1357,651
  Bottom Layer w20: SD.3 1336.61,610.15 R12.2 v1(1353,657)
SD_D0: R13.2 SD.7 STM32.65 | length 1014.6
  Top Layer w10: STM32.65 714.37,444.37 818,548 v1@894,548 ; v1@1090,603 1090,613 1107,630 1483,630 v1(1510,657)
  Bottom Layer w10: v1@898,550 949,601 v1@1086,601
  Bottom Layer w20: SD.7 1509.84,626.38 R13.2 v1(1510,657)
  other v1: 893,555 1085,608
SD_D1: R14.2 SD.8 STM32.66 | length 1043.3
  Top Layer w10: STM32.66 734.06,439.06 826,531 v1@920,531 ; v1@1108,596 1118,596 1136,614 1506,614 v1@1544.32,652.32
  Bottom Layer w10: v1@916,543 957,584 v1@1113,584
  Bottom Layer w20: v1(1545,656) 1570,631 R14.2 1553.15,609.69 SD.8
  other v1: 921,538 1113,591
SD_D2: R10.2 SD.1 STM32.78 | length 414.2
  Top Layer w10: STM32.78 v1@1249.85,503.15
  Bottom Layer w20: R10.2 1250,609.54 SD.1 v1(1250,496)
SD_D3: R11.2 SD.2 STM32.79 | length 429.9
  Top Layer w10: STM32.79 v1@1293.17,522.83
  Bottom Layer w20: v1(1293,516) SD.2@1293,564.69 ; SD.2 R11.2@1293.31,626.23
SW_CLK: STM32.76 SWD.3 | length 1599.7
  Top Layer w10: STM32.76 v1@1533.78,463.78 ; SWD.3 1516,909 1749,909 v1@1884,774
  Bottom Layer w10: v1@1535,478 1660.37,478 1902,719.63 1902,756 v1@1884,774
  other v1: 1534,471 1879,769
SW_DIO: STM32.72 SWD.2 | length 1948.6
  Top Layer w10: STM32.72 852.17,457.69 867.47,473 903,473 930,446 v1@1570,446 ; SWD.2 1432,893 1742,893 v1@1845,790
  Bottom Layer w10: v1@1570,460 1665,460 1918,713 1918,763 1889,792 v1@1840,792
  other v1: 1570,453 1840,785
USB_DM: R21.2 STM32.70 | length 427.6
  Top Layer w10: STM32.70 812.8,311.2 871,253 969.54,253 R21.2
USB_DP: R22.2 STM32.71 | length 441.6
  Top Layer w10: STM32.71 832.48,351.52 893,291 948.37,291 1049.55,392.18 1107.82,392.18 1136.54,363.46 R22.2
USB_ID: R23.2 STM32.69 | length 248.1
  Top Layer w10: STM32.69 793.11,259.89 v1@843,210
  Bottom Layer w10: v1(847,215) 873.46,215 R23.2
USB_OC: STM32.77
USB_PSW: STM32.84
USB_VBUS: R18.2 STM32.68 | length 372.2
  Top Layer w10: STM32.68 773.43,256.05 844.47,185 v1@940,185
  Bottom Layer w10: v1(940,178) R18.2
VBUS: R18.1 USB.1 | length 293.9
  Top Layer w10: v1@1073.82,157.18 USB.1@1073.82,267.32
  Bottom Layer w10: R18.1 973.48,108.06 1051.64,108.06 1074,130.41 v1(1074,157)
VCAP1: C3.1 STM32.49 | length 99
  Top Layer w10: STM32.49 v1@422.54,483.46
  Bottom Layer w20: C3.1 410.4,482 v1(424,482)
VCAP2: C4.1 STM32.73 | length 102.1
  Top Layer w10: STM32.73 871.85,444.85 v1(877,450)
  Bottom Layer w20: C4.1 877,429.4 v1(877,450)
VCC3: C16.2 C17.2 LM1.2 OFF.2 | length 610.6
  Top Layer w20: OFF.2@1748,1196 1748,1125 1868,1005 1868,881 1933,816 1933,790 1960,763 1969.83,763 LM1.2@1969.83,723 ; 2198.17,723 LM1.2@2198.17,763
VDDA: C1.1 C2.1 L1.2 STM32.21 STM32.22 | length 138.8
  Top Layer w10: STM32.22 497.83,966.17 v1@518,946 ; v1@517.52,955.48 STM32.21
  Bottom Layer w20: L1.2 522,969.54 v1(522,951)
pads on no net: OFF.3

## Polygon pours and split planes (outlines as drawn)
GND on Top Layer "Top Layer-No Net" (hatched 90Degree grid 6 track 8, remove dead copper, pour order 4): 0,1310 2750,1310 2750,0 0,0
GND on Bottom Layer "Top Layer-No Net" (hatched 90Degree grid 6 track 8, remove dead copper, pour order 3): 0,1310 2750,1310 2750,0 0,0

## Keep-outs
Keep-Out Layer:
  the board outline again, w0

## Other copper
Top Layer:
  rectangle net 5V: 1962,933 2138,1009
  rectangle net GND: 1962,1033 2138,1109
  rectangle net 5V: 2512,537 2588,1213
  rectangle net OSC2: 553,1102 590,1280
  rectangle net OSC2: 553,1102 636,1198
  rectangle net OSC1: 761,1102 797,1280
  rectangle net OSC1: 714,1102 797,1198
  rectangle net GND: 620.75,1236.38 729.25,1283.62
  rectangle net GND: 2612,537 2688,1213
  rectangle net NetD3_2: 831,1208.75 927,1245
  rectangle net NetD2_2: 951,1208.75 1047,1245
  rectangle net NetD1_2: 1071,1208.75 1167,1245
  rectangle net 5V: 2151,833 2298.25,873
  rectangle net GND: 2329.75,665 2366,873
  rectangle net GND: 2150,653 2366,692
  rectangle net VCC3: 2006,713 2298.25,813
  pour cut-out: 1568,222 1648,222 1648,162 1568,162
  pour cut-out: 1352,222 1432,222 1432,162 1352,162
  pour cut-out: 1328,50 1233,50 1233,146 1328,146
  pour cut-out: 1017,50 922,50 922,146 1017,146
  pour cut-out: 746,269 746,193 421,193 421,269
  pour cut-out: 317,164 408,164 408,55 317,55
  pour cut-out: 762,165 853,165 853,56 762,56
  pour cut-out: -15,1325 210,1325 210,-10 -15,-10
  pour cut-out: 1606,1310 1675,1310 1675,1259 1606,1259
  pour cut-out: 1882,1310 1951,1310 1951,1259 1882,1259
  pour cut-out: 1606,1220 1675,1220 1675,1169 1606,1169
  pour cut-out: 1950,1169 1881,1169 1881,1220 1950,1220
Bottom Layer:
  rectangle net 5V: 1962,933 2138,1009
  rectangle net GND: 1962,1033 2138,1109
  rectangle net 5V: 2512,537 2588,1213
  rectangle net GND: 281,415 340,534
  rectangle net VDDA: 370,963 532,999.25
  rectangle net GND: 831,306 950,364.25
  rectangle net NetR5_1: 1005.75,720 1042,880
  rectangle net 3V3: 938,840 974.25,940
  rectangle net 3V3: 1213,675.75 1590,712
  rectangle net GND: 370,1030.75 470,1067
  rectangle net GND: 550,1030.75 735,1067
  rectangle net GND: 2612,537 2688,1213
  rectangle net 3V3: 897,1159 1167,1202
  pour cut-out: -15,1325 210,1325 210,-10 -15,-10

## Silkscreen, mask and mechanical layers (free items; w line width, h text height)
Top Overlay:
  drawing of 3135 lines, arcs and shapes, not listed
  text "QCopter" at 1695,400 h100
  text "MachineVision v1.1" at 1695,275 h60
Mechanical 1:
  the board outline again, w0
Mechanical 13:
  circle w1: c1724.94,1000 r118.11
  circle w1: c2624.94,400 r118.11

## Dimensions
0,1310 to 2750,1310 on Mechanical 13
2750,1310 to 2750,0 on Mechanical 13